# Altium PCB SEC_3002_DZ&HL.PcbDoc (part 6 of 7) (continued)
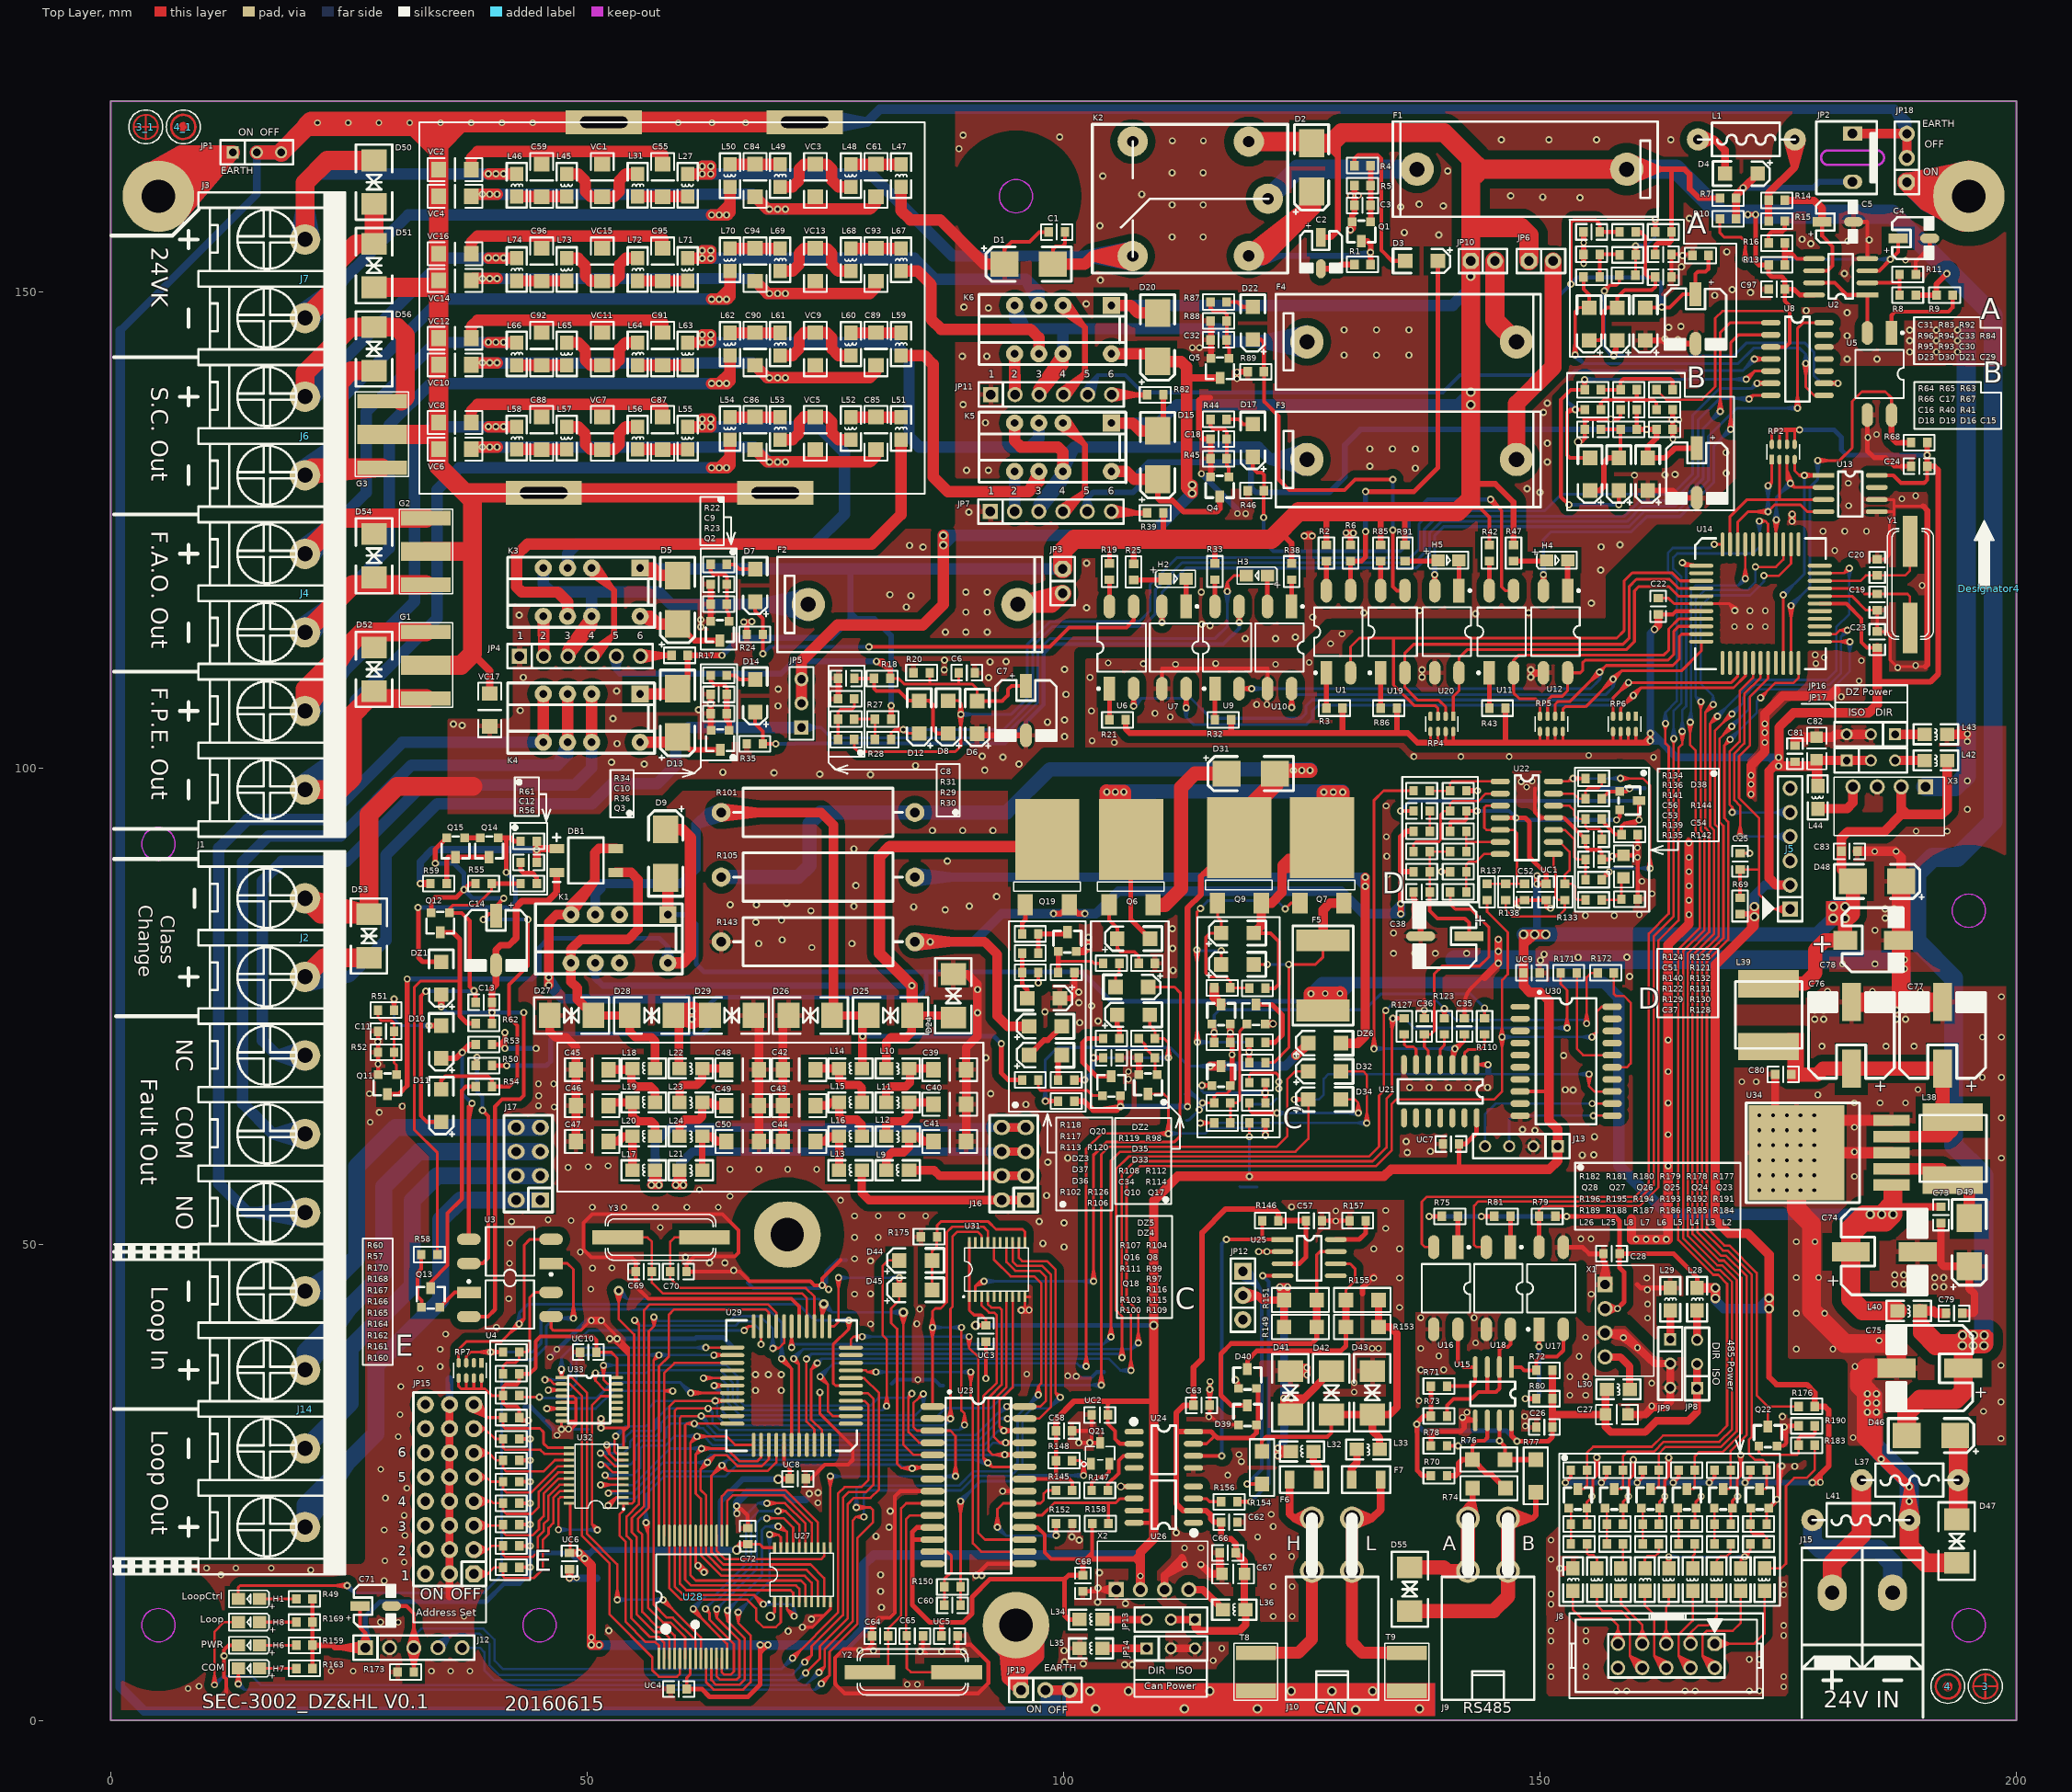
[diagram p0: Top Layer view]
## Nets (pads, with @x,y where several pads share a name; then routed paths per layer and width w, separated by ;. In a path a pad name is that pad's centre, name@x,y a point inside that pad or via, vN(x,y) a via of type N, cw(c..) or ccw(c..) an arc to the next point about the centre after c; other vN are vias at no path point) (continued)
  Top Layer w0.8: JP9.1@163.664,40.004 L29.2@163.664,43.028
NetJP11_2: JP11.2 K6.8 | length 17
  Top Layer w1.2: JP11.2@94.858,139.227 94.858,143.46 JP11.2@94.896,139.189 K6.8@94.858,143.468 JP11.2@94.858,139.227
NetJP11_4: JP11.4 K6.3 | length 23.3
  Top Layer w0.6: K6.3@99.556,148.083 102.112,146.374 K6.3@100.403,148.93 ; JP11.4@99.653,139.571 102.048,141.261 JP11.4@100.358,138.867 ; K6.3@99.938,148.548 102.249,146.237 102.249,141.462 JP11.4@99.976,139.189
NetJP11_6: JP11.6 R82.2 | length 11.5
  Top Layer w0.6: JP11.6@105.056,139.189 107.656,139.158 ; JP11.6@105.086,139.158 R82.2@108.772,139.158 ; JP11.6@105.098,138.69 107.656,139.158 ; JP11.6@105.11,139.686 107.656,139.158
NetJP12_3: JP12.3 R154.1 | length 35.2
  Top Layer w0.4: v1(119.259,24.827) R154.1@120.812,24.827
  Bottom Layer w0.4: JP12.3@118.395,46.59 120.563,45.402 ; JP12.3@118.616,46.926 120.563,45.402 ; JP12.3@118.815,47.15 120.812,45.153 120.812,26.38 v1(119.259,24.827) ; JP12.3@119.039,47.349 120.563,45.402 ; JP12.3@119.375,47.57 120.563,45.402
NetJP13_3: JP13.3 L34.2 | length 6.9
  Top Layer w0.8: 104.867,10.585 JP13.3@108.715,10.585 105.68,10.585
NetJP14_1: JP14.1 L35.2 | length 7.7
  Top Layer w0.8: L35.2@104.06,7.559 JP14.1@108.715,7.559 105.68,7.559
NetJP16_3: JP16.3 L42.2 | length 3.1
  Top Layer w1: JP16.3@187.263,100.776 L42.2@190.352,100.776
NetJP17_1: JP17.1 L43.2 | length 3.1
  Top Layer w1: JP17.1@187.263,103.521 L43.2@190.352,103.521
NetK3_4: K3.4 L55.2 | length 62.2
  Top Layer w1.2: L55.2@60.553,135.799 v1(62.075,135.799) ; v1(62.075,135.799) 62.075,136.602 v1(62.078,136.605) 62.96,136.605 62.963,136.602 v1(62.963,135.799) v1(62.075,135.799)
  Bottom Layer w1.2: K3.4@47.933,120.98 47.933,122.492 48.928,123.486 73.854,123.486 77.009,126.642 77.009,133.068 74.279,135.799 v1(62.963,135.799) ; v1(62.963,135.799) 62.966,135.802 v1(62.966,136.605) v1(62.078,136.605) 62.075,136.602 v1(62.075,135.799) v1(62.963,135.799)
NetK3_9: K3.9 L51.2 | length 60.8
  Top Layer w1.2: K3.9@47.933,115.9 47.933,117.421 46.912,118.442 43.13,118.442 42.59,118.982 42.59,122.329 43.737,123.475 79.833,123.475 82.934,126.576 L51.2@82.934,134.441
NetK5_4: K5.4 L63.2 | length 55.7
  Top Layer w1.2: L63.2@60.553,144.646 v1(62.075,144.646) ; v1(62.075,144.646) 62.075,145.449 v1(62.078,145.452) 62.96,145.452 62.963,145.449 v1(62.963,144.646) v1(62.075,144.646)
  Bottom Layer w1.2: v1(62.963,144.646) 62.966,144.649 v1(62.966,145.452) v1(62.078,145.452) 62.075,145.449 v1(62.075,144.646) v1(62.963,144.646) ; v1(62.963,144.646) 82.137,144.646 83.783,143 83.783,134.744 84.84,133.687 96.48,133.687 97.398,134.605 ; 97.398,134.605 K5.4@97.398,136.2 97.398,134.605
NetK5_9: K5.9 L59.2 | length 33.4
  Top Layer w1.2: L59.2@82.934,143.288 85.359,143.288 86.298,142.348 86.298,130.536 87.84,128.994 96.365,128.994 ; 96.365,128.994 97.398,130.027 ; 96.365,128.994 K5.9@97.398,131.12 ; 97.398,130.027 K5.9@97.398,131.12 ; 97.398,130.027 K5.9@97.398,131.12 ; 97.398,130.027 K5.9@97.398,131.12
NetK6_4: K6.4 L71.2 | length 51.5
  Top Layer w1.2: L71.2@60.553,153.493 v1(62.075,153.493) ; v1(62.075,153.493) v1(62.963,153.493) 62.963,154.296 62.96,154.299 v1(62.078,154.299) 62.075,154.296 v1(62.075,153.493)
  Bottom Layer w1.2: K6.4@97.398,148.54 97.398,149.956 ; v1(62.963,153.493) v1(62.075,153.493) 62.075,154.296 v1(62.078,154.299) v1(62.966,154.299) 62.966,153.496 v1(62.963,153.493) ; v1(62.963,153.493) 84.332,153.493 86.541,151.284 96.07,151.284 ; 96.07,151.284 97.398,149.956 ; 96.07,151.284 K6.4@97.398,148.548 ; K6.4@97.398,148.548 97.398,149.956 ; K6.4@97.398,148.548 97.398,149.956
NetK6_9: K6.9 L67.2 | length 22.9
  Top Layer w1.2: L67.2@82.934,152.135 84.681,152.135 86.1,150.716 86.1,147.078 87.14,146.038 96.512,146.038 97.398,145.153 ; K6.9@97.398,143.46 97.398,145.153 ; K6.9@97.398,143.468 97.398,145.153
NetL1_2: L1.2 R14.1 R15.2 | length 18.4
  Top Layer w0.8: R15.2@173.989,157.388 R14.1@173.989,159.568 173.989,160.311 176.735,163.057 ; L1.2@175.974,165.859 176.735,163.057 ; L1.2@177.497,165.859 176.735,163.057 ; 176.735,163.057 L1.2@176.735,165.96 176.735,163.057
NetL30_1: L30.1 X1.4 | length 5.4
  Top Layer w0.8: X1.4@156.834,38.148 158.418,38.148 159.414,37.152 L30.1@159.414,34.757
NetL31_1: L31.1 L45.2 VC1.1 | length 10.7
  Top Layer w1.2: L45.2@47.859,162.34 49.04,162.34 49.808,161.572 49.808,160.507 50.368,159.946 VC1.1@51.572,159.946 52.817,159.946 53.355,160.485 53.355,161.629 54.066,162.34 L31.1@55.297,162.34
NetL36_1: L36.1 X2.4 | length 4.5
  Top Layer w0.8: X2.4@113.139,13.726 114.622,13.726 L36.1@116.725,11.624
NetL44_1: L44.1 X3.4 | length 7.3
  Top Layer w1: L44.1@179.149,95.71 182.207,95.71 182.839,96.342 ; 182.839,96.342 X3.4@182.839,97.997 182.839,96.342
NetL48_1: L48.1 L49.2 VC3.1 | length 10.8
  Top Layer w1.2: L49.2@70.24,160.982 71.535,160.982 72.245,161.692 72.245,162.851 72.769,163.375 VC3.1@73.952,163.375 75.136,163.375 75.66,162.851 75.66,161.692 76.37,160.982 L48.1@77.665,160.982
NetL52_1: L52.1 L53.2 VC5.1 | length 10.8
  Top Layer w1.2: L53.2@70.24,134.441 71.535,134.441 72.245,135.151 72.245,136.31 72.769,136.834 VC5.1@73.952,136.834 75.136,136.834 75.66,136.31 75.66,135.151 76.37,134.441 L52.1@77.665,134.441
NetL56_1: L56.1 L57.2 VC7.1 | length 10.7
  Top Layer w1.2: L57.2@47.859,135.799 49.04,135.799 49.808,135.031 49.808,133.966 50.368,133.405 VC7.1@51.572,133.405 52.817,133.405 53.355,133.944 53.355,135.088 54.066,135.799 L56.1@55.297,135.799
NetL60_1: L60.1 L61.2 VC9.1 | length 10.8
  Top Layer w1.2: L61.2@70.24,143.288 71.535,143.288 72.245,143.998 72.245,145.157 72.769,145.681 VC9.1@73.952,145.681 75.136,145.681 75.66,145.157 75.66,143.998 76.37,143.288 L60.1@77.665,143.288
NetL64_1: L64.1 L65.2 VC11.1 | length 10.7
  Top Layer w1.2: L65.2@47.859,144.646 49.04,144.646 49.808,143.878 49.808,142.813 50.368,142.252 VC11.1@51.572,142.252 52.817,142.252 53.355,142.791 53.355,143.935 54.066,144.646 L64.1@55.297,144.646
NetL68_1: L68.1 L69.2 VC13.1 | length 10.8
  Top Layer w1.2: L69.2@70.24,152.135 71.535,152.135 72.245,152.845 72.245,154.004 72.769,154.528 VC13.1@73.952,154.528 75.136,154.528 75.66,154.004 75.66,152.845 76.37,152.135 L68.1@77.665,152.135
NetL72_1: L72.1 L73.2 VC15.1 | length 10.7
  Top Layer w1.2: L73.2@47.859,153.493 49.04,153.493 49.808,152.725 49.808,151.66 50.368,151.099 VC15.1@51.572,151.099 52.817,151.099 53.355,151.638 53.355,152.782 54.066,153.493 L72.1@55.297,153.493
NetQ8_B: Q8.B R100.1 R103.2 | length 11.5
  Top Layer w0.3: R100.1@117.503,62.715 R103.2@117.503,64.831 118.182,64.831 118.494,65.143 118.494,72.373 Q8.B@119.239,73.118
NetQ8_C: Q8.C R99.1 | length 7.1
  Top Layer w0.5: Q8.C@120.483,75.15 121.873,75.15 122.976,74.047 122.976,71.98 122.176,71.18 R99.1@121.187,71.18
NetQ10_B: Q10.B R102.1 | length 7.9
  Top Layer w0.3: R102.1@97.351,67.232 97.351,66.37 97.602,66.119 102.526,66.119 103.057,65.588 Q10.B@104.061,65.588
NetQ10_C: Q10.C R108.2 | length 8
  Top Layer w0.508: R108.2@104.155,71.581 102.43,71.581 102,71.15 102,69.067 103.447,67.62 Q10.C@105.013,67.62
NetQ12_C: Q12.C R58.1 R62.1 | length 46.5
  Top Layer w0.3: R58.1@34.282,48.9 34.282,59.583 31.855,62.009 31.855,76.971 32.499,77.615 36.625,77.615
  Top Layer w0.5: Q12.C@34.58,82.732 35.911,82.732 36.625,82.018 36.625,77.615 36.625,73.937 37.394,73.168 R62.1@38.31,73.168
NetQ13_1: Q13.B R58.2 | length 5.9
  Top Layer w0.4: R58.2@32.582,48.9 32.582,47.38 32.204,47.003 32.204,44.491 32.625,44.07 Q13.B@32.625,43.356
NetQ13_2: Q13.C R54.2 | length 23.7
  Top Layer w0.4: Q13.C@33.578,45.388 33.578,46.016 35.342,47.78 35.342,53.251 36.856,54.765 36.856,66.122 37.273,66.539 R54.2@38.31,66.539
NetQ13_3: Q13.E U4.1 | length 3.6
  Top Layer w0.4: Q13.E@34.53,43.356 36.105,44.93 U4.1@37.506,44.93
NetQ14_2: Q14.C Q15.C R59.1 | length 7.1
  Top Layer w0.5: R59.1@35.252,87.843 35.252,90.468 35.407,90.623 Q15.C@36.191,90.623 Q14.C@39.711,90.623
NetQ14_3: Q14.E Q15.B | length 1.6
  Top Layer w0.5: Q15.B@37.144,92.655 Q14.E@38.758,92.655
NetQ16_B: Q16.B R110.1 R111.2 | length 42.6
  Top Layer w0.3: v1@115.573,72.176 R111.2@115.803,71.18 ; v1@115.575,72.24 Q16.B@115.803,72.895 ; v1@116.031,72.24 Q16.B@115.803,72.895 ; v1@116.032,72.176 R111.2@115.803,71.18 ; R111.2@115.803,71.18 v1(115.803,72.202) ; R111.2@115.803,71.18 v1(115.803,72.202) ; v1(115.803,72.202) Q16.B@115.803,72.895 ; R110.1@144.178,73.713 v1(144.178,74.785) R110.1@144.178,73.713
  Bottom Layer w0.3: v1@115.573,72.223 115.803,73.483 v1@116.033,72.223 ; v1(115.803,72.202) 115.803,74.044 116.362,74.603 131.617,74.603 132.427,75.414 133.262,76.248 142.715,76.248 v1(144.178,74.785)
NetQ16_C: Q16.C R107.1 | length 2.1
  Top Layer w1: R107.1@115.803,76.902 115.803,75.879 Q16.C@116.532,75.15
NetQ17_B: Q17.B R112.1 R114.2 | length 4.3
  Top Layer w0.3: R112.1@107.89,71.581 108.603,70.868 108.603,70.54 R114.2@109.59,69.552 Q17.B@109.59,68.021
NetQ18_B: Q18.B R115.2 R116.2 | length 24.1
  Top Layer w0.25: v1(114.514,66.657) Q18.B@115.58,66.657 ; v1@114.545,66.402 Q18.B@115.58,66.657 ; v1@114.545,66.911 Q18.B@115.58,66.657 ; v1@120.898,65.846 R115.2@121.187,64.831 ; v1@120.898,65.925 R116.2@121.187,66.947 ; v1@121.406,65.863 R115.2@121.187,64.831 ; v1@121.406,65.908 R116.2@121.187,66.947 ; R115.2@121.187,64.831 R116.2@121.187,66.947 ; R115.2@121.187,64.831 v1(121.151,65.886) R116.2@121.187,66.947
  Bottom Layer w0.25: v1@114.264,66.6 114.514,66.073 ; v1@114.764,66.6 114.514,66.073 ; v1@121.122,65.632 120.02,65.886 ; v1@121.122,66.14 120.02,65.886 ; 114.514,66.073 v1(114.514,66.657) 114.514,66.073 ; 114.514,66.073 114.701,65.886 v1(121.151,65.886) 120.02,65.886
NetQ19_G: Q19.G R118.1 | length 2.8
  Top Layer w0.5: R118.1@95.651,82.561 95.651,83.725 95.987,84.061 Q19.G@95.987,85.245
NetQ20_B: Q20.B R119.2 R120.2 | length 6.9
  Top Layer w0.3: 99.513,79.704 102.951,79.704 103.178,79.478 R119.2@104.155,79.478
  Top Layer w0.5: R120.2@99.441,78.538 Q20.B@99.441,80.721
NetQ20_C: Q20.C R117.1 R118.2 | length 4.9
  Top Layer w0.5: R117.1@97.351,80.541 R118.2@97.351,82.561 Q20.C@100.202,82.561
NetQ21_2: Q21.2 R147.2 | length 4
  Top Layer w0.4: R147.2@102.94,24.147 102.94,24.942 103.536,25.537 104.236,25.537 104.78,26.081 Q21.2@104.78,26.945
NetQ22_1: Q22.B R183.1 R190.1 | length 9.3
  Top Layer w0.25: Q22.B@172.966,28.814 172.966,28.185 173.283,27.868 176.952,27.868 177.138,28.054 R183.1@177.138,28.89
  Top Layer w0.4: R183.1@177.138,28.89 177.138,29.597 177.421,29.88 178.631,29.88 178.838,30.087 R190.1@178.838,30.926
NetQ23_1: Q23.B R184.1 R191.1 | length 5.1
  Top Layer w0.25: Q23.B@172.102,22.266 172.102,19.82 172.366,19.556 173.413,19.556 173.784,19.185 R184.1@173.784,18.525
NetQ24_1: Q24.B R185.1 R192.1 | length 3.7
  Top Layer w0.25: R185.1@168.314,18.525 R192.1@168.314,20.613 Q24.B@168.314,22.236
NetQ25_1: Q25.B R186.1 R193.1 | length 3.7
  Top Layer w0.25: R186.1@164.544,18.525 R193.1@164.544,20.613 Q25.B@164.544,22.188
NetQ26_1: Q26.B R187.1 R194.1 | length 3.6
  Top Layer w0.25: R187.1@160.774,18.525 R194.1@160.774,20.613 Q26.B@160.774,22.139
NetQ27_1: Q27.B R188.1 R195.1 | length 3.6
  Top Layer w0.25: R188.1@157.004,18.525 R195.1@157.004,20.613 Q27.B@157.004,22.091
NetQ28_1: Q28.B R189.1 R196.1 | length 3.5
  Top Layer w0.25: R189.1@153.234,18.525 R196.1@153.234,20.613 Q28.B@153.234,22.043
NetR2_2: R2.2 U1.4 | length 3.1
  Top Layer w0.5: U1.4@127.577,118.602 R2.2@127.577,121.696
NetR3_2: R3.2 U1.1 | length 3.7
  Top Layer w0.5: R3.2@127.577,106.258 U1.1@127.577,109.974
NetR8_1: R8.1 R11.2 U2.2 | length 5.6
  Top Layer w0.4: U2.2@184.352,150.907 187.736,150.907 ; R8.1@187.736,149.618 187.736,150.907 ; R11.2@187.736,151.793 187.736,150.907
NetR9_1: R9.1 U5.1 | length 9.9
  Top Layer w0.4: U5.1@186.894,145.66 186.894,147.52 187.27,147.896 192.871,147.896 193.304,148.329 R9.1@193.304,149.618
NetR13_1: R13.1 R16.2 U2.5 | length 5.6
  Top Layer w0.4: 175.689,153.946 176.477,153.946 176.976,153.447 U2.5@178.764,153.447
  Top Layer w0.6: R13.1@175.689,152.789 175.689,153.946 R16.2@175.689,155.09
NetR19_2: R19.2 U6.4 | length 2.8
  Top Layer w0.5: U6.4@104.812,116.937 R19.2@104.812,119.747
NetR21_2: R21.2 U6.1 | length 3.3
  Top Layer w0.5: R21.2@104.812,105.038 U6.1@104.812,108.309
NetR27_2: R27.2 R28.2 R29.1 | length 4.3
  Top Layer w0.3: R29.1@78.028,105.106 R27.2@80.193,105.106 R28.2@80.193,102.966
NetR29_2: R29.2 R30.2 R31.1 | length 5.7
  Top Layer w0.3: R30.2@76.328,102.966 R29.2@76.328,105.106 76.328,105.865 76.616,106.153 77.828,106.153 78.028,106.353 R31.1@78.028,107.245
NetR32_2: R32.2 U9.1 | length 3.3
  Top Layer w0.5: R32.2@115.881,105.038 U9.1@115.881,108.309
NetR33_2: R33.2 U9.4 | length 2.8
  Top Layer w0.5: U9.4@115.881,116.937 R33.2@115.881,119.747
NetR38_2: R38.2 U10.1 | length 2.8
  Top Layer w0.5: U10.1@123.929,116.937 R38.2@123.929,119.747
NetR42_2: R42.2 U11.4 | length 3.1
  Top Layer w0.5: U11.4@144.682,118.602 R42.2@144.682,121.696
NetR43_2: R43.2 U11.1 | length 3.7
  Top Layer w0.5: R43.2@144.682,106.258 U11.1@144.682,109.974
NetR50_2: R50.2 U3.4 | length 25.9
  Top Layer w0.4: U3.4@37.58,47.972 39.046,47.972 39.64,48.567 39.64,63.413 v1(39.014,64.04) ; v1(38.436,69.615) R50.2@38.31,68.749 38.31,69.508 v1@38.567,69.764
  Bottom Layer w0.4: v1(38.436,69.615) 38.436,66.034 39.014,65.456 v1(39.014,64.04)
NetR57_1: R57.1 R60.2 U4.4 | length 12.7
  Top Layer w0.3: R57.1@41.171,36.385 41.171,37.191 41.555,37.575 42.504,37.575 42.871,37.942 R60.2@42.871,38.669 43.692,38.669 43.957,38.934 43.957,44.361 44.526,44.93 U4.4@46.208,44.93
NetR63_2: R63.2 R64.2 R65.1 | length 9.5
  Top Layer w0.4: R64.2@156.394,139.688 R65.1@158.456,139.688 158.456,140.524 158.757,140.824 163.679,140.824 163.919,140.584 R63.2@163.919,139.688
NetR65_2: R65.2 R66.2 R67.1 | length 8.6
  Top Layer w0.4: R66.2@156.394,137.609 156.394,138.328 156.688,138.622 161.919,138.622 162.219,138.322 R67.1@162.219,137.609 ; 160.063,138.633 160.156,138.726 R65.2@160.156,139.688
NetR70_1: R70.1 R74.2 R76.2 U15.6 | length 13.8
  Top Layer w0.4: R76.2@142.908,27.391 142.908,28.873 143.393,29.358 144.154,29.358 144.466,29.67 U15.6@144.466,31.5
  Top Layer w0.6: R70.1@140.245,25.689 141.103,25.689 141.477,26.062 141.477,27 141.867,27.391 R76.2@142.908,27.391 144.428,25.871 144.868,25.871 R74.2@146.363,24.376
NetR75_1: R75.1 U16.1 | length 3.2
  Top Layer w0.5: U16.1@141.385,49.681 R75.1@141.385,52.915
NetR76_1: R76.1 R77.2 R78.2 U15.7 | length 16
  Top Layer w0.4: U15.7@145.736,31.5 v1(145.736,29.355) 146.337,28.754 R76.1@146.337,27.391 ; R78.2@140.245,28.821 v1(141.41,28.821) R78.2@140.245,28.821
  Top Layer w0.6: R76.1@146.337,27.391 R77.2@149.541,27.391
  Bottom Layer w0.4: v1(141.41,28.821) 141.947,29.358 145.734,29.358 v1(145.736,29.355) 144.155,29.358
NetR80_1: R80.1 U17.1 | length 11.6
  Top Layer w0.5: v1(148.438,33.774) R80.1@149.606,33.774 ; v1(149.9,39.261) U17.1@149.9,41.053
  Bottom Layer w0.5: v1(148.438,33.774) 149.606,33.774 149.9,34.068 v1(149.9,39.261) 149.9,37.38
NetR81_1: R81.1 U18.1 | length 3.2
  Top Layer w0.5: U18.1@146.899,49.681 R81.1@146.899,52.915
NetR85_2: R85.2 U19.4 | length 3.1
  Top Layer w0.5: U19.4@133.279,118.602 R85.2@133.279,121.696
NetR86_2: R86.2 U19.1 | length 3.7
  Top Layer w0.5: R86.2@133.279,106.258 U19.1@133.279,109.974
NetR92_2: R92.2 R93.2 R94.1 | length 21.4
  Top Layer w0.3: v1@159.815,154.757 R94.1@160.045,153.843 ; R93.2@160.045,151.737 R94.1@160.045,153.843 ; v1@160.274,154.757 R94.1@160.045,153.843 ; v1@161.864,157.59 R92.2@162.094,156.33 ; R92.2@162.094,156.255 v1(162.094,157.611) R92.2@162.094,156.33 ; v1@162.324,157.59 R92.2@162.094,156.33 ; R94.1@160.045,153.843 v1(160.045,154.785) R94.1@160.045,153.843
  Bottom Layer w0.3: v1(160.045,154.785) 161.142,154.785 ; v1@160.069,154.556 161.142,154.785 ; v1@160.069,155.015 161.142,154.785 ; v1@161.864,157.59 162.094,156.33 ; v1@162.324,157.59 162.094,156.33 ; 161.142,154.785 162.094,155.737 v1(162.094,157.611) 162.094,156.33
NetR94_2: R94.2 R95.2 R96.1 | length 4.4
  Top Layer w0.4: R95.2@156.269,151.516 R96.1@156.269,153.9 R94.2@158.287,153.9
NetR110_2: R110.2 U21.2 | length 4.8
  Top Layer w0.3: U21.2@142.07,68.842 142.07,70.052 142.432,70.413 143.775,70.413 144.178,70.816 R110.2@144.178,72.013
NetR121_2: R121.2 R122.2 U22.2 | length 14.1
  Top Layer w0.25: R122.2@136.725,91.217 136.725,92.001 136.967,92.243 139.387,92.243 139.574,92.43 139.574,95.132 139.908,95.466 R121.2@140.568,95.466 140.568,96.239 140.833,96.503 143.51,96.503 144.302,97.295 U22.2@145.826,97.295
NetR123_1: R123.1 U21.4 | length 3.3
  Top Layer w0.3: U21.4@139.53,68.842 139.53,70.458 139.961,70.889 R123.1@139.961,72.013
NetR124_1: R124.1 R125.2 U22.1 | length 8.3
  Top Layer w0.25: R124.1@138.425,97.591 R125.2@140.568,97.591 140.568,98.365 140.769,98.565 U22.1@145.826,98.565
NetR127_1: R127.1 U21.6 | length 4.1
  Top Layer w0.3: R127.1@135.744,72.013 135.744,70.965 135.998,70.712 136.725,70.712 136.99,70.446 U21.6@136.99,68.842
NetR128_1: R128.1 R130.2 U22.7 | length 6.9
  Top Layer w0.25: R128.1@142.268,86.968 R130.2@142.268,89.093 142.268,89.865 142.536,90.132 143.298,90.132 144.112,90.945 U22.7@145.826,90.945
NetR131_2: R131.2 R132.1 U22.6 | length 5.7
  Top Layer w0.25: R131.2@142.268,91.217 R132.1@142.268,93.342 ; 142.299,92.215 U22.6@145.826,92.215
NetR133_1: R133.1 R135.2 U22.9 | length 9.2
  Top Layer w0.25: U22.9@151.414,92.215 152.072,92.215 153.094,91.193 153.094,89.236 152.604,88.746 R133.1@152.604,87.817 153.357,87.817 153.667,87.508 153.667,86.375 153.909,86.133 R135.2@154.773,86.133
NetR133_2: R133.2 R138.1 U22.8 | length 14.5
  Top Layer w0.25: R138.1@146.406,86.117 146.406,85.084 147.093,84.397 151.893,84.397 152.604,85.107 R133.2@152.604,86.117 151.918,86.117 151.634,86.402 151.634,89.304 151.414,89.524 U22.8@151.414,90.945
NetR134_1: R134.1 R136.2 U22.13 | length 6.5
  Top Layer w0.25: U22.13@151.414,97.295 153.513,97.295 154.053,96.756 R136.2@154.773,96.756 ; 154.773,97.295 154.773,97.569 155.069,97.865 156.159,97.865 156.473,98.179 R134.1@156.473,98.88
NetR134_2: R134.2 R139.1 U22.14 | length 45.7
  Top Layer w0.25: U22.14@151.414,98.565 152.982,98.565 ; v1@153.306,99.063 152.982,98.565 ; v1@153.514,98.626 154.616,98.88 v1@153.514,99.134 ; v1@153.571,98.639 152.982,98.565 ; R134.2@154.773,98.88 v1(153.485,98.88) ; R139.1@156.473,88.258 R139.1@156.473,88.294 ; v1@157.056,89.237 R139.1@156.473,88.294 ; v1@157.416,88.877 R139.1@156.473,88.294 ; v1(158.432,98.893) 160.814,98.893 161.549,98.158 v1(161.549,89.453) ; v1@158.484,98.635 159.459,98.889 v1@158.484,99.142 ; v1@161.294,89.482 161.549,90.584 v1@161.803,89.482 ; 152.982,98.565 153.296,98.88 v1(153.485,98.88) ; 152.982,98.565 v1(153.485,98.88) ; R139.1@156.473,88.294 v1(157.257,89.078) R139.1@156.473,88.294
  Bottom Layer w0.25: v1(153.485,98.88) v1(158.432,98.893) ; v1@153.514,98.626 154.616,98.88 v1@153.514,99.134 ; v1(157.257,89.078) 157.632,89.453 v1(161.549,89.453) 160.418,89.453 ; v1@158.422,98.634 157.32,98.889 v1@158.422,99.143 ; v1@161.52,89.199 160.418,89.453 ; v1@161.52,89.708 160.418,89.453
NetR145_1: R145.1 R152.2 U23.20 | length 27.5
  Top Layer w0.254: v1@92.795,20.314 93.048,21.428 v1@93.3,20.314 ; v1(93.048,20.285) 93.048,22.176 93.667,22.795 U23.20@95.892,22.795 97.563,22.795 97.909,23.142 97.909,23.801 98.255,24.147 R145.1@99.198,24.147 ; v1@98.956,19.433 99.209,20.548 v1@99.461,19.433 ; v1(99.209,19.405) R152.2@99.209,20.668
  Bottom Layer w0.254: v1@92.887,20.088 93.929,19.405 ; v1(93.048,20.285) 93.929,19.405 ; v1@93.245,20.446 93.929,19.405 ; v1@99.181,19.152 98.066,19.405 ; v1@99.181,19.657 98.066,19.405 ; 93.929,19.405 v1(99.209,19.405) 98.066,19.405
NetR146_1: R146.1 U24.6 U25.1 | length 37.6
  Top Layer w0.4: U24.6@113.625,27.777 116.393,27.777 v1@116.503,27.887 ; 115.032,27.777 v1(116.613,27.777) v1@116.503,27.777 ; v1(117.068,50.483) U25.1@122.974,50.483 ; 120.841,50.505 R146.1@120.841,52.465
  Bottom Layer w0.4: v1(116.613,27.777) 116.615,29.358 ; v1@116.615,27.777 116.615,50.029 ; 116.615,50.029 v1(117.068,50.483) 116.615,50.029
NetR147_1: R147.1 U24.3 | length 5.4
  Top Layer w0.4: R147.1@104.64,24.147 104.64,24.8 105.773,25.933 105.773,27.266 106.284,27.777 U24.3@107.402,27.777
NetR156_1: R156.1 U25.4 | length 30.1
  Top Layer w0.4: v1(120.898,46.673) U25.4@122.974,46.673 ; R156.1@118.234,22.957 v1(119.631,22.957) R156.1@118.234,22.957
  Bottom Layer w0.4: v1(119.631,22.957) 121.532,24.858 ; v1(120.898,46.673) 121.532,46.038 121.532,24.858 ; 121.532,25.354 121.532,24.858
NetR156_2: R156.2 U26.3 | length 3
  Top Layer w0.3: U26.3@113.625,23.289 114.986,23.289 115.318,22.957 R156.2@116.534,22.957
NetR157_2: R157.2 U25.8 | length 4.7
  Top Layer w0.5: U25.8@128.562,50.483 131.039,50.483 131.707,51.151 R157.2@131.707,52.465
NetR158_2: R158.2 U23.19 U26.6 | length 14.4
  Top Layer w0.3: U23.19@95.892,21.525 97.711,21.525 99.034,22.849 105.485,22.849 105.925,23.289 U26.6@107.402,23.289 ; R158.2@104.699,20.668 104.699,22.782
NetR170_1: R170.1 U29.29 | length 30.6
  Top Layer w0.3: R170.1@42.871,34.101 43.017,33.955 v1(44.986,33.955) v1@44.84,34.101 ; v1(60.866,34.361) U29.29@65.226,34.361 ; v1@60.887,34.131 62.147,34.361 v1@60.887,34.591
  Bottom Layer w0.3: v1@45.036,33.836 50.992,33.836 52.644,35.488 59.802,35.488 59.802,35.424 v1(60.866,34.361) 59.849,35.378 ; v1@60.69,34.211 59.849,35.378 ; v1@61.016,34.537 59.849,35.378
NetR171_2: R171.2 U30.16 | length 12
  Top Layer w0.25: R171.2@153.86,78.477 153.86,70.506 154.531,69.835 U30.16@157.567,69.835
NetR172_2: R172.2 U30.15 | length 12.9
  Top Layer w0.25: U30.15@157.567,68.565 159.125,68.565 159.523,68.963 159.523,75.331 158.802,76.052 157.953,76.052 157.755,76.251 R172.2@157.755,78.477
NetU2_1: U2.1 U2.7 U5.2 | length 10.9
  Top Layer w0.4: U2.7@178.764,150.907 180.939,150.907 182.209,149.637 U2.1@184.352,149.637 184.352,148.843 184.354,148.84 ; U5.2@184.354,145.66 184.354,148.84 ; U2.1@184.354,149.635 184.354,148.84
NetU7_2: U7.2 U8.1 | length 99.2
  Top Layer w0.3: v1@168.676,137.42 168.906,138.68 v1@169.136,137.42 ; v1(168.906,137.399) 168.906,145.685 169.941,146.72 U8.1@174.223,146.72
  Top Layer w0.6: v1(110.319,115.267) U7.2@110.319,116.937
  Bottom Layer w0.3: v1@110.089,115.287 110.319,116.548 v1@110.549,115.287 ; v1(110.319,115.267) 110.319,118.433 112.863,120.976 137.051,120.976 138.404,122.329 138.404,124.621 139.65,125.867 159.128,125.867 160.744,127.482 164.218,127.482 167.135,130.399 167.135,135.627 v1(168.906,137.399) 167.889,136.381 ; v1@168.73,137.548 167.889,136.381 ; v1@169.056,137.223 167.889,136.381
NetU8_2: U8.2 U12.2 | length 58.1
  Top Layer w0.3: v1@169.77,135.571 170.034,136.827 ; v1(169.999,135.544) 170.034,136.827 ; v1@170.034,135.544 170.034,144.667 170.817,145.45 U8.2@174.223,145.45 ; v1@170.23,135.559 170.034,136.827
  Top Layer w0.6: U12.2@150.357,118.602 v1(150.357,120.273) U12.2@150.357,118.602
  Bottom Layer w0.3: v1@150.127,120.294 150.357,121.554 v1@150.587,120.294 ; v1(150.357,120.273) 150.357,123.986 151.138,124.767 159.584,124.767 161.199,126.382 164.673,126.382 168.235,129.944 168.235,133.78 v1(169.999,135.544) 168.982,134.527 ; v1@169.823,135.694 168.982,134.527 ; v1@170.149,135.368 168.982,134.527
NetU8_14: U8.14 U20.2 | length 74.1
  Top Layer w0.3: v1@176.781,137.785 177.011,139.045 v1@177.241,137.785 ; v1(177.011,137.764) 177.011,146.111 177.619,146.72 U8.14@179.811,146.72
  Top Layer w0.6: U20.2@138.954,118.602 v1(138.954,120.273) U20.2@138.954,118.602
  Bottom Layer w0.3: v1@138.724,120.294 138.954,121.554 v1@139.184,120.294 ; v1(138.954,120.273) 138.954,124.393 139.878,125.317 159.356,125.317 160.972,126.932 164.446,126.932 167.685,130.172 167.685,134.802 170.647,137.764 v1(177.011,137.764) 175.73,137.764 ; v1@176.99,137.534 175.73,137.764 ; v1@176.99,137.994 175.73,137.764
OSC1: C19.1 U14.30 Y1.1 | length 13.1
  Top Layer w0.25: U14.30@179.365,118.834 183.461,118.834 184.047,118.247 C19.1@185.392,118.247 188.565,118.247 188.838,117.975 Y1.1@188.838,114.682
OSC2: C20.1 U14.31 Y1.2 | length 11.3
  Top Layer w0.25: U14.31@179.365,119.621 183.623,119.621 184.203,120.202 C20.1@185.392,120.202 188.326,120.202 188.838,120.714 Y1.2@188.838,122.095
PWR_AC: Q22.C R176.2 U14.22 | length 113.8
  Top Layer w0.25: v1@173.118,107.609 173.753,107.97 ; v1(173.142,107.36) 173.753,107.97 ; v1@173.367,107.303 173.753,107.97 ; Q22.C@173.919,30.846 173.919,32.947 173.905,32.962 ; 175.067,108.93 174.713,108.93 ; U14.22@177.13,111.011 177.13,109.441 176.62,108.93 174.713,108.93 ; R176.2@177.138,32.962 173.905,32.962 ; 169.389,102.412 v1(169.954,102.977) ; 169.389,102.412 v1(169.954,102.977) ; 169.389,102.412 169.347,102.37 169.347,94.732 169.751,94.328 169.751,81.937 167.51,79.695 167.51,51.692 169.346,49.855 169.861,49.855 172.731,46.986 172.731,34.136 173.905,32.962 ; 169.389,102.412 170.104,102.77 169.389,102.412 ; 169.389,102.412 169.747,103.127 169.389,102.412 ; 169.389,102.412 v1(169.954,102.977) ; 169.389,102.412 v1(169.954,102.977) ; 173.753,107.97 174.713,108.93
  Bottom Layer w0.25: v1@172.925,107.496 172.741,106.959 ; v1@173.278,107.143 172.741,106.959 ; v1@169.792,103.175 170.865,103.889 ; v1@169.792,103.175 170.865,103.889 ; v1@169.792,103.175 170.865,103.889 ; v1@169.792,103.175 170.865,103.889 ; v1(169.954,102.977) 172.741,105.764 172.741,106.959 ; v1(169.954,102.977) 170.865,103.889 ; v1(169.954,102.977) 170.865,103.889 ; v1@170.152,102.815 170.865,103.889 ; v1@170.152,102.815 170.865,103.889 ; v1@170.152,102.815 170.865,103.889 ; v1@170.152,102.815 170.865,103.889 ; 172.741,106.959 v1(173.142,107.36) 172.741,106.959
PWR_ACF: Q26.C R180.2 U14.35 | length 123.4
  Top Layer w0.25: Q26.C@161.6,24.298 162.082,24.298 162.474,24.69 R180.2@162.474,26.27 162.474,28.029 163.133,28.688 168.977,28.688 170.651,30.362 170.651,46.237 169.113,47.775 168.598,47.775 165.51,50.863 165.51,80.524 167.751,82.765 167.751,93.264 167.347,93.668 167.347,105.819 ; v1@167.974,106.806 167.347,105.819 ; v1@168.334,106.446 167.347,105.819 ; v1(173.5,120.174) 175.075,120.174 176.343,121.442 U14.35@176.343,123.457 ; 167.347,105.819 v1(168.174,106.646) 167.347,105.819
  Bottom Layer w0.25: v1@167.966,106.719 168.174,107.533 ; v1(168.174,106.646) 168.174,107.533 ; v1@168.376,106.728 168.174,107.533 ; v1(173.5,120.174) 173.5,119.573 172.038,118.11 168.014,118.11 166.842,116.938 166.842,108.865 168.174,107.533
PWR_BAK: Q28.C R182.2 U14.41 | length 133.9
  Top Layer w0.25: Q28.C@153.963,24.298 154.574,24.298 154.934,24.658 R182.2@154.934,26.27 154.934,28.096 155.57,28.732 161.733,28.732 162.912,29.911 168.606,29.911 169.64,30.945 169.64,45.833 168.699,46.775 168.184,46.775 164.51,50.449 164.51,80.938 166.751,83.179 166.751,92.849 166.347,93.254 166.347,101.804 165.759,102.392 v1(165.759,104.774) 165.759,103.643 ; v1@165.505,104.745 165.759,103.643 ; v1@166.013,104.745 165.759,103.643 ; v1@171.288,119.887 171.542,120.989 v1@171.797,119.887 ; v1(171.542,119.858) U14.41@171.542,123.457
  Bottom Layer w0.25: v1@165.507,104.821 165.842,105.916 ; v1@166.015,104.784 165.842,105.916 ; v1@171.34,120.015 170.83,119.146 ; v1@171.699,119.656 170.83,119.146 ; 165.842,105.916 v1(165.759,104.774) 165.842,104.857 165.842,118.644 166.344,119.146 170.83,119.146 ; 170.83,119.146 v1(171.542,119.858) 170.83,119.146